# KiCad board AmigaPCI Mainboard.kicad_pcb (continued)
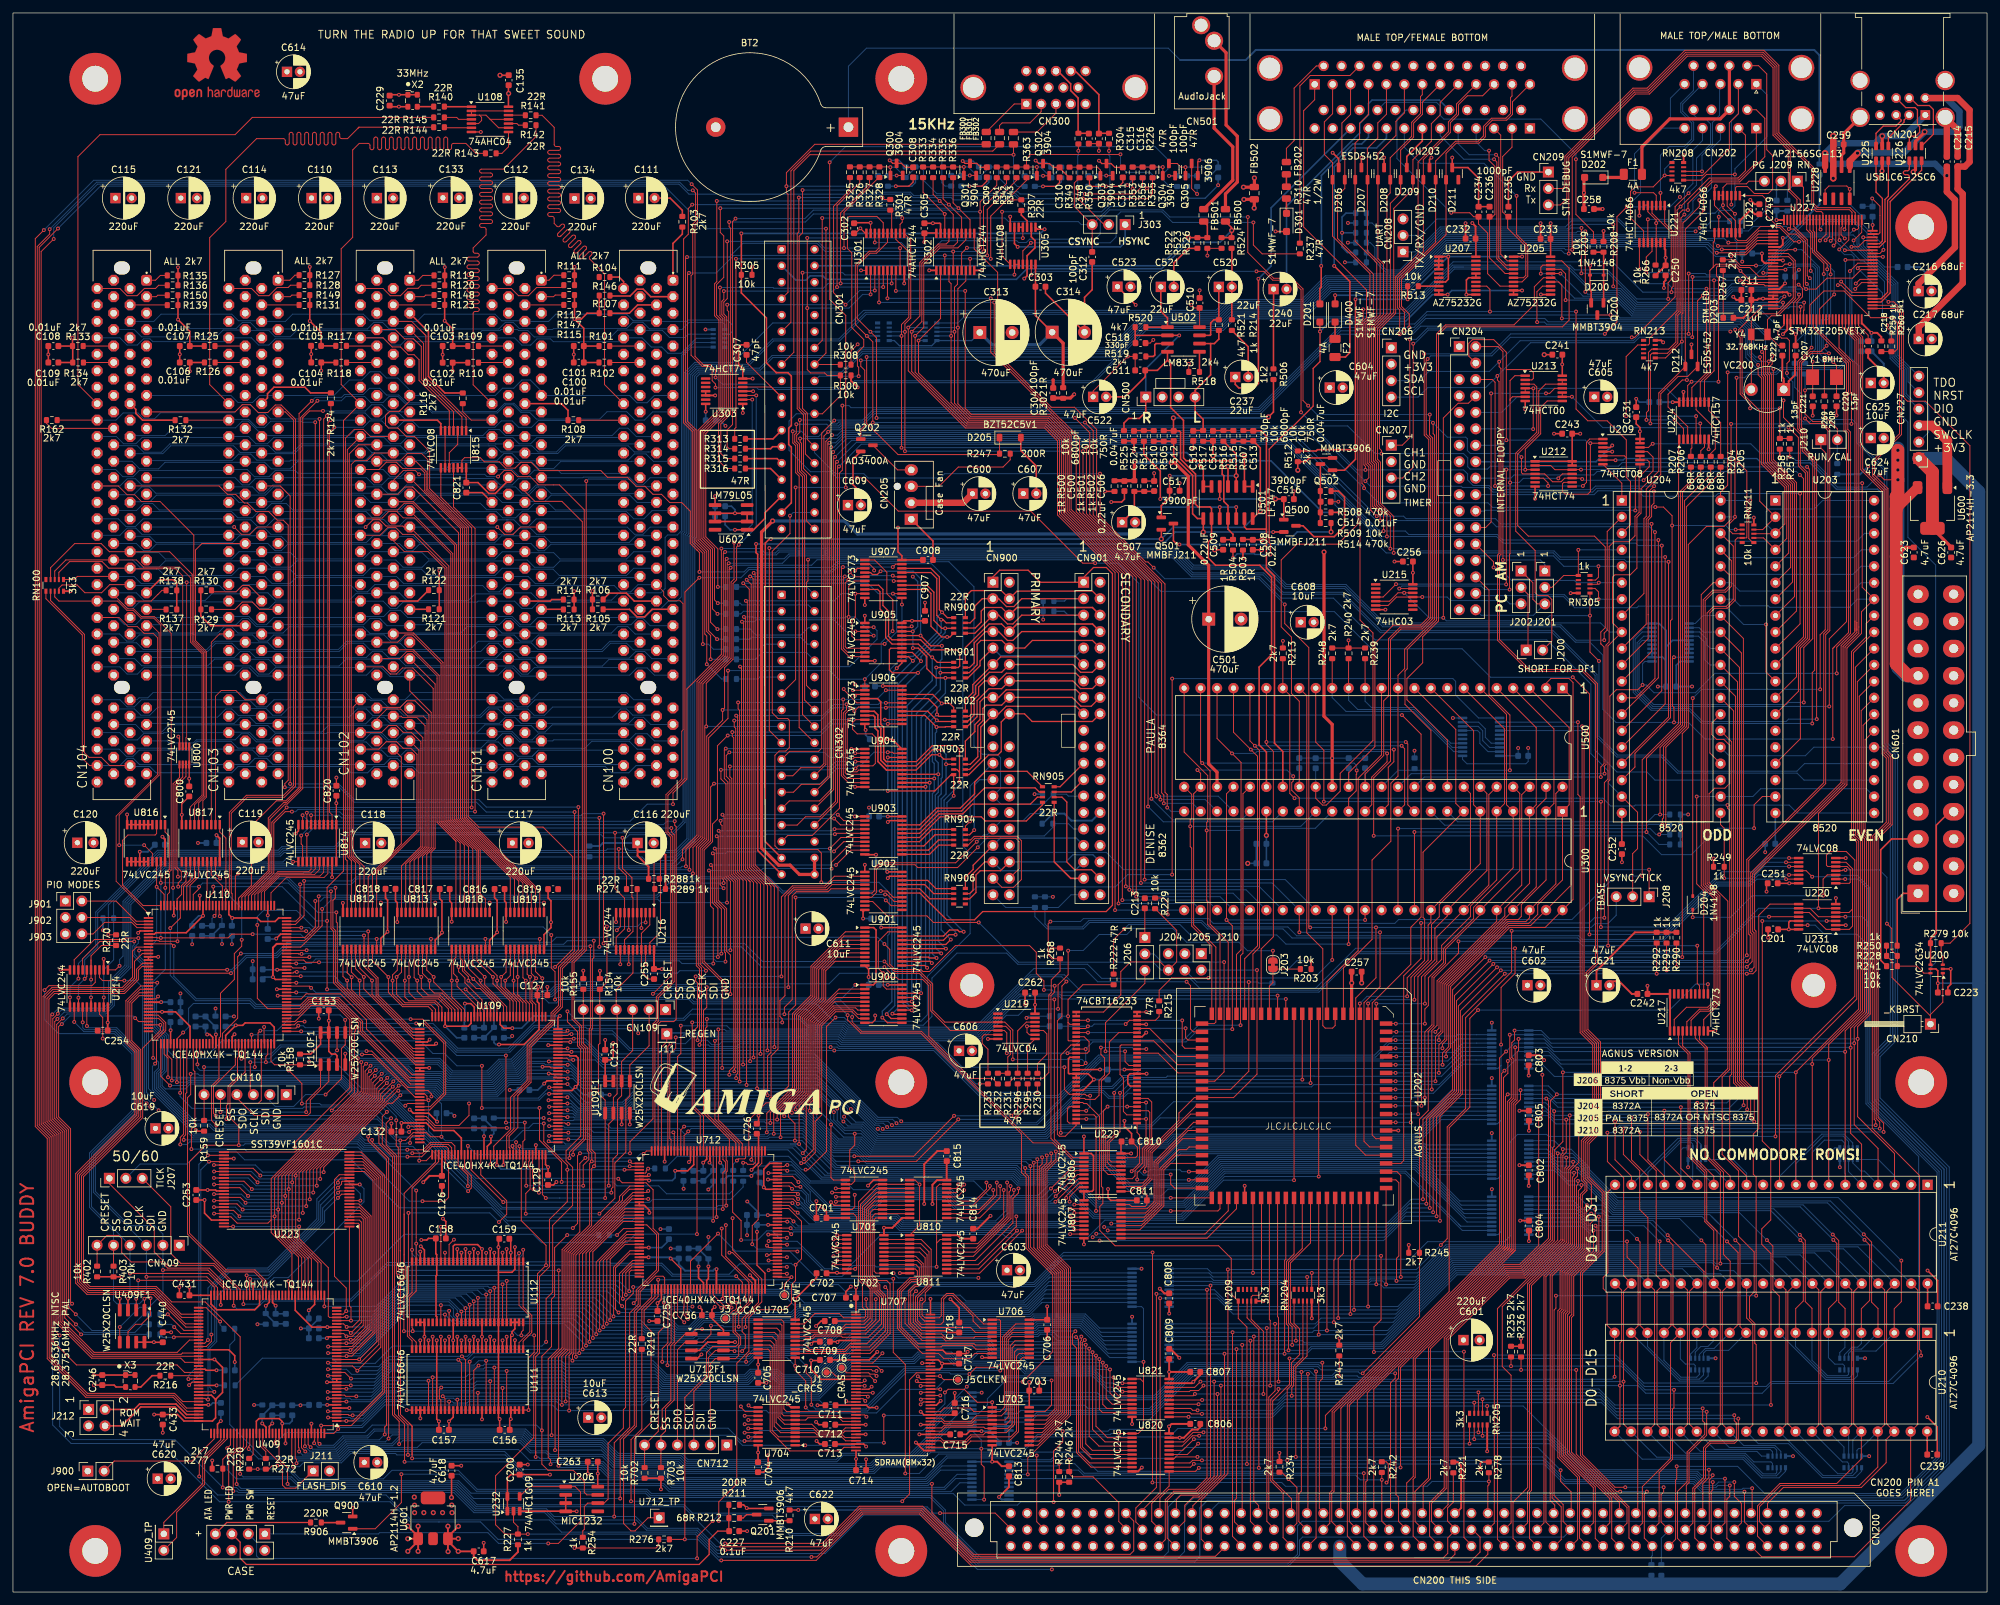
[diagram p0: board, top side]
## Routing (per net, layer and track width the routed paths; a pad name or vN(x,y) marks a point on that pad's centre or on a via; arc(x,y) is an arc through that point) (continued)
+5V: length 280.5
  Top w0.15: R229.1 177.58,107.17 178.3,106.46 v1(178.3,104.63) ; v1(212.07,16.9) 212.35,17.18 212.35,19.8 212.03,20.12 R242.1 ; R162.2 5.18,180.48 5.97,179.69 CN104.B19
  Top w0.25: R305.2 v1(114.11,204.66) ; R124.2 45.95,185.17 45.07,186.05 40.3,186.05 39.3,185.05 39.3,184.4 CN103.A16 ; v1(157.81,90.68) 157.8,90.67 U219.14 ; v1(157.81,90.68) 157.81,89.32 ; v1(157.81,90.68) 157.81,92.2 ; v1(112.69,182.08) 112.68,182.09 U303.1 ; 216.15,159.12 v1(216.15,157.4) 216.15,155.61 ; CN101.A16 84.68,183.5 85.7,182.48 R108.2 ; U207.20 225.88,208.98 ; v1(174.97,87.66) 174.97,87.66 U229.25 ; U205.20 237.41,208.97 ; R236.1 v1(232.85,39.14) ; R500.1 v1(168.6,169.96) ; v1(200.44,97.48) 200.43,97.47 R203.1 ; U212.13 C243.2 v1(241.99,178.87) ; D301.2 194.95,210.09 v1(194.94,210.1) ; v1(171.61,80.68) 173.55,80.68 ; U212.1 U212.14 ; U209.13 U209.14 251.21,179.22 v1(251.2,179.23) 251.21,179.24 251.21,179.81 250.62,180.4 C231.1 ; Q201.2 113.37,12.91 v1(113.3,12.97) 112.81,13.46 R212.1 ; C263.1 v1(90.3,18.3) 90.29,18.3 U206.8 ; v1(106.96,182.27) 106.96,183.48 ; v1(82.91,18.13) C200.1 76.86,18.13 76.34,17.61 U232.1 ; R116.2 66.68,185.16 64.15,187.69 64.15,194.6 CN102.A5 ; U305.2 157.23,209.27 157.8,208.7 157.8,207.56 156.58,206.35 U305.12 156.58,203.25 v1(156.15,202.82) ; R249.1 262.56,113.25 v1(262.58,113.27) ; R132.2 20.01,180.96 18.97,182 18.97,182.62 CN104.A16 ; U303.4 114.27,185.43 v1(114.28,185.42) ; v1(167.84,80.69) 164.16,80.67 ; U213.14 239.21,189.56 v1(239.2,189.57) 239.21,189.59 239.21,191.06 ; R235.1 232.84,37.95 ; 248.41,115.58 U204.20 ; R244.1 163.07,16.95 ; U209.4 v1(246.93,176.1) ; C238.1 U211.40 ; C239.1 295.56,24.78 ; U300.19 v2(193.53,116.84)
  Top w0.3: RN205.10 v1(227.62,21.74) ; RN204.5 200.53,42.28 v1(200.54,42.27) ; v1(256.27,183.74) 256.27,183.74 U224.16 ; v1(257.95,221.88) 257.95,221.87 RN208.10 ; R234.1 195.55,21.48 v1(195.54,21.49) ; RN211.10 268.79,165.91 v1(268.79,165.91) ; v1(161.55,15) 161.54,15.01 R244.1 ; v1(225.33,211.39) 225.83,210.89 C232.1 ; C249.1 268.94,212.76 v1(268.28,213.42) 266.62,211.76 U222.14 ; v1(240.51,154.25) 240.52,154.26 RN305.10 ; RN213.10 254.48,193.29 v1(254.79,192.98) ; v1(204.8,39.18) 204.78,39.15 204.78,38.12 ; v1(252.37,93.62) C242.1 255.85,92.36 ; 253.62,203.31 C250.1 v1(255.17,206.05) 255.13,206.09 255.13,207.28 255.02,207.39 U221.14 ; v1(237.42,211.37) 237.41,211.35 C233.1 ; R245.1 v1(215.51,53.6) ; RN209.5 193.06,44.93 v1(193.07,44.92) ; R300.2 129.4,187.05 v1(130.42,186.03) ; 255.85,92.36 U217.1 ; RN100.5 v1(8.9,154.55)
  Top w0.5: C257.1 206.69,94.06 v2(206.7,94.05) 206.69,94.04 U202.15 ; C258.1 v1(242.56,216.08) 242.56,218.33 ; v1(163.86,184.96) 163.28,184.38 C304.1
  Bottom w0.15: v1(216.4,129.92) 216.41,129.91 R225.1 ; R903.2 160.56,107.35 v1(160.57,107.35) ; v1(200.44,97.48) 198.22,97.48 196.43,95.69 R223.1
  Bottom w0.25: C306.1 v1(106.96,182.27) ; R263.1 v1(206.12,208.37) ; C224.1 256.81,143.11 257.4,143.7 U201.20 ; R912.2 v1(159.07,150.16) ; R900.1 v1(157.74,123.21) ; v2(193.53,116.84) C301.1 ; v1(167.84,80.69) C267.1 v1(171.61,80.68) ; 272.12,115.59 272.12,120.26
  Bottom w0.3: v1(259.25,139.83) 259.24,139.82 C224.1 ; RN201.5 v1(285.96,36.1) ; RN101.10 v1(106.93,194.96) ; v1(282.07,65.6) 282.06,65.61 RN203.5 ; v1(274.84,20.98) 274.83,20.99 RN206.5 ; RN202.5 v1(258.64,65.6) ; RN200.5 v1(262.88,36.1) ; v1(256.27,183.74) 254.21,183.74 ; RN207.5 286.59,20.99 v1(286.6,20.98)
+5VSB: length 110.2
  Top w0.15: 274.33,176.48 v1(274.33,175.29) ; v1(288.17,172.53) 288.96,171.75 v3(291.04,171.75)
  Top w0.5: C623.2 292.2,161.31 290.77,159.88
  Top w1: v3(281.05,218.3) 281.06,218.31 U228.7 v3(281.06,224.84)
  Top w1.5: 290.77,167.24 290.77,167.25 U600.3
  Top w2: CN601.9 292.61,141.49 290.77,143.32 290.77,169.17 291.04,169.44 v3(291.04,176.31)
  Bottom w0.15: v1(274.33,175.29) 274.72,175.29 275.27,174.74 277.56,174.74 281.67,170.62 286.26,170.62 v1(288.17,172.53)
  Bottom w2: 291.04,176.64 v3(291.04,171.75) 291.04,142.71 292.26,141.49 CN601.9
  vias: v3(291.04,174.79) v3(291.04,173.27)
+12V: length 607.6
  Top w0.25: U207.1 220.15,204.25 ; D400.2 v1(204.14,200.25) ; U207.7 221.19,202.31 221.62,202.73 v1(221.62,206.22) 220.17,206.22 ; R503.1 v1(189.91,159.62) ; v1(233.01,206.22) 231.7,206.22
  Top w1: C600.1 146.73,168.2 CN205.2
  In3.Cu w0.25: v1(189.91,159.62) 189.91,164.17 191.63,165.89 191.63,170.03 195.01,173.42 195.01,185.36 204.14,194.48 v1(204.14,200.25) 205.65,201.76 v1(205.65,205.34) 197.13,213.87 197.13,241.38
  In3.Cu w1: C134.1 86.71,213.71 88.48,211.94 109.05,211.94 110.19,213.08 121.19,213.08 126.13,208.14 126.13,199.55 ; 126.13,199.55 129.06,196.62 129.06,181.14 134.69,175.51 134.69,168.88 135.37,168.2 CN205.2 ; 126.13,199.55 CN301.10
  In3.Cu w2: C133.1 66.39,232.58 74.98,241.17 179.57,241.17 183.79,236.95 186.54,236.95 190.97,241.38 300.31,241.38 303.54,238.15 303.54,162.2 300.32,158.98 293.95,158.98 290.9,155.93 290.9,153.14 CN601.11 CN601.10
  Bottom w0.25: R261.1 205.67,205.33 v1(205.65,205.34) ; v1(233.01,206.22) v1(221.62,206.22) 215.65,200.25 v1(204.14,200.25)
-5V: length 13
  Top w0.25: CN301.31 116.09,166.64 116.09,165.78 114.35,164.04 U602.1 ; v1(111.48,164.03) 113.34,164.03
  Bottom w0.25: v1(111.48,164.03) 110.74,164.03 109.96,164.81 C615.2
-12V: length 682.4
  Top w0.15: R260.2 290.02,194.61 289.38,195.25 v1(289.38,195.6)
  Top w0.2: R504.2 188.37,159.7 v1(188.38,159.69) ; D201.1 201.79,194.67 v1(201.81,194.65) 201.81,190.01 200.75,188.95 200.75,183.12 197.41,179.78 197.26,179.78 193.96,176.48 193.96,162.08 194.16,161.88 v1(194.16,160.22)
  Top w0.25: v1(221.52,200.35) 220.16,200.35 ; U207.10 U207.9 ; v1(233,200.98) 231.71,200.98 ; U205.9 U205.10 ; U602.2 U602.3 v1(111.48,166.58) U602.6 U602.7 U602.2
  In2.Cu w0.15: v1(289.38,195.6) 290.92,197.14 303.56,197.14 303.57,197.15
  In2.Cu w0.25: 198.44,241.43 198.44,205.02 201.81,201.65 v1(201.81,194.65) ; 115.35,241.25 115.39,241.2 115.39,170.49 v1(111.48,166.58)
  In2.Cu w2: CN601.14 300.73,112.09 303.57,114.93 303.57,238.16 300.3,241.43 191.02,241.43 186.54,236.95 183.75,236.95 179.45,241.25 63.61,241.25 ; 63.61,241.25 54.41,241.25 C121.2 ; 63.61,241.25 54.21,241.25 47.66,234.7 47.61,234.75 C614.2
  Bottom w0.2: v1(194.16,160.22) 191.78,160.22 191.68,160.32 189.01,160.32 v1(188.38,159.69)
  Bottom w0.25: v1(201.81,194.65) 203.37,196.21 215.01,196.21 219.15,200.35 v1(221.52,200.35) 222.14,200.97 233,200.97 v1(233,200.98) ; C616.2 110.94,167.67 111.48,167.13 v1(111.48,166.58)
/Agnus Multiadapter/GND_PAL_NTSC: length 36.5
  Top w0.15: v1(190.81,94.2) 190.81,80.41 188.02,77.62 U202.41
  Bottom w0.15: AGNUS1.4 182.78,94.2 v1(190.81,94.2) 192.2,94.2 192.37,94.03 R223.2
/Clocks, ROM, USB/VBUS1: length 63.8
  Top w0.5: v3(288.62,224.83) 288.61,224.82 U225.5
  Top w1: v3(279.78,222.15) 279.79,222.14 U228.8 ; C214.1 v3(298.59,218.72) 298.59,216.23 299.84,214.98 299.84,207.66 294.22,202.04 C216.1
  Bottom w1: CN201.1 292.02,224.83 v3(288.62,224.83) 287.51,223.72 281.35,223.72 v3(279.78,222.15) 281.39,220.54 296.77,220.54 v3(298.59,218.72)
/Clocks, ROM, USB/VBUS2: length 78.8
  Top w0.5: U226.5 293.75,224 295.17,225.42 v3(295.17,225.48)
  Top w1: C217.1 294.25,195.33 301.04,202.12 301.04,215.9 300.25,216.69 C215.1 301.38,220.12 302.1,220.84 302.1,228.85 300.25,230.7 CN201.5 ; v3(284.8,222.19) 283.6,220.99 U228.5
  Bottom w1: v3(284.8,222.19) 284.9,222.29 291.98,222.29 v3(295.17,225.48) 299.77,225.48 300.54,226.25 300.54,228.64 298.48,230.7 CN201.5
/HID and User Ports/+5VMOUSE: length 26.9
  Top w0.5: F1.2 251.51,223.19 255.81,227.48 263.61,227.48 CN202.16 CN202.7
/HID and User Ports/VBAT_STM: length 15.1
  Top w0.3: U227.6 272.9,207.7 273.26,208.06 273.26,209.1 v1(273.27,209.11)
  Bottom w0.3: R201.2 278.94,214.3 273.75,209.11 v1(273.27,209.11)
GND: length 1054.7
  Top w0.15: U707.84 140.74,41.85 140.01,42.58 140.01,44.95 v1(140.29,45.22) ; v1(174.96,89.56) 174.96,89.56 U229.28 ; U707.12 132.35,37.35 135.05,40.05 135.05,46.71 v1(134.68,47.08) ; U807.19 172.42,59.83 172.72,59.53 174.81,59.53 175.08,59.8 C811.2 ; U707.6 131.56,40.35 133.23,42.01 v1(133.23,45.22) ; v1(130.94,204.09) 130.94,204.09 U301.1 ; v1(167.67,222.55) C316.2 C315.2 ; R268.2 v1(160.44,99.44) ; U222.7 262.72,214.1 265.32,211.5 U222.12 ; 98.33,104.92 98.33,103.02 97.03,101.72 97.03,95.8 98.17,94.66 C255.1 ; v1(131.78,27.07) 131.5,27.35 U707.32 ; U806.19 173.31,67.07 173.61,67.37 173.61,68.69 C810.2 ; U209.7 248.41,171.23 U204.1 ; v1(132.42,211.44) 132.42,211.44 U301.19 ; 38.76,84.75 38.76,87.25 v1(38.77,87.25) ; v1(137.73,45.22) 137.73,41.5 140.38,38.85 U707.78 ; U227.74 288.06,209.7 288.26,209.9 288.26,214 v1(287.07,215.19)
  Top w0.2: v1(147.66,217.09) 149.6,217.09 150.37,217.86 C309.1 ; C311.1 171.36,217.65 170.77,217.06 v1(168.79,217.06) 166.55,217.06 166.21,217.4 R350.2 ; v1(25.53,132.09) 25.71,131.91 U800.4 ; C310.1 161.6,217.65 161.01,217.06 v1(159.04,217.06) ; v1(26.07,120.02) 26.07,121.72 C800.1 ; v1(133.13,89.03) 133.13,88.36 132.68,87.91 U900.10 ; U108.7 v1(72.24,225.46) ; C308.1 138.99,217.73 138.34,217.09 v1(136.32,217.09) ; C820.1 v1(49.94,125.77)
  Top w0.25: v1(16.49,45.3) U409F1.4 ; C821.1 72.46,169.77 CN101.B28 ; C129.2 83.45,62.86 v1(83.91,63.32) ; v1(124,41.08) 124.77,41.85 C708.2 ; C132.2 58.43,72.35 v1(58.43,72.36) ; U110.86 40.76,93.09 v1(40.75,93.08) ; v1(86.7,204.62) R111.2 R112.1 ; X2.2 59.6,229.36 v1(59.59,229.37) 59.58,229.36 58.33,229.36 ; 62.56,6.3 v2(62.55,6.29) ; 67.97,37.5 67.97,38.87 ; v1(295.61,49.65) 297.17,48.09 C238.2 ; U206.2 U206.3 85.34,12.46 87.03,12.46 v1(87.04,12.46) ; v1(211.7,221.5) 211.7,221.5 D208.3 ; U111.25 v1(63.53,39.43) U112.32 U112.30 ; U232.3 85.32,12.49 ; U112.54 77.5,40.64 77.05,40.19 v1(77.05,39.68) 76.87,39.5 U111.4 ; U112.54 U112.53 ; U112.54 U112.55 ; U109F1.4 95.25,72.2 v1(95.24,72.2) ; U109.14 U109.13 64.26,80.94 v1(64.27,80.94) ; U816.4 U816.10 17.63,120.06 v1(17.62,120.07) ; v1(19.33,101.79) 19.63,102.09 U110.5 ; U814.10 44.07,117.53 v1(43.66,117.12) ; v1(243.5,204.83) D200.2 243.5,201.06 243.68,200.88 Q200.2 ; D205.2 155.62,176.26 158,173.88 C607.2 ; R128.1 v1(45.83,204.63) ; 62.9,28.1 U111.32 ; 62.9,28.1 62.9,26.82 v1(62.9,26.81) ; 62.9,28.1 U111.30 ; C907.2 v1(140.82,152.78) ; U111.39 67.97,27.01 v1(67.32,26.35) C157.2 ; U602.5 108.41,169.23 ; v1(114.21,187.38) U303.7 112.68,188.91 112.03,189.56 112.03,192.18 112.44,192.59 C307.2 ; C108.2 v1(5.46,191.11) C109.2 ; v1(132.02,62.76) 132.88,63.62 U701.10 ; C715.2 147.22,24.35 147.71,24.84 v1(149.54,24.84) ; U109.5 63.98,84.94 v1(64.34,85.3) ; C433.2 v1(23.13,24.6) ; U707.58 142.56,28.85 v1(143.24,29.52) ; CN205.1 142.06,162.3 142.06,159.38 ; v1(124,26.27) 124.43,25.84 C712.2 ; v1(219.01,221.5) 218.71,221.2 D210.3 ; C153.1 47.22,88.54 v1(47.22,88.54) ; C303.2 159.42,200.57 C314.2 165.45,199.92 166.63,201.1 C312.2 ; v1(135.08,110.25) 135.37,110.54 U902.19 ; v1(171.61,72.76) 171.61,71.9 172.71,70.8 C810.2 ; v1(51.31,83.13) 51.31,83.12 U110F1.4 ; C714.2 v1(131.72,20.5) ; v1(72.68,7.6) 72.69,7.59 C617.1 ; U409.103 v1(30.17,28.91) ; R136.1 R135.2 v1(25.48,204.57) ; v1(62.97,53.38) 63.53,52.82 U112.25 ; v1(109.54,45.27) 109.62,45.35 U712.59 ; U229.27 U229.28 ; D206.3 204.69,221.32 v1(203.76,222.25) ; v1(132.42,211.44) 129.94,211.44 ; C127.2 v1(82.51,93.44) ; 233.49,183.92 233.49,182.64 v1(233.5,182.62) ; v1(106.3,36.69) 105.66,36.05 U712F1.4 ; 60.97,8.24 v2(60.96,8.23) ; R241.1 288.38,97.56 288.38,114.61 290.06,116.29 CN601.3 ; v1(104.38,66.4) 104.62,66.64 U712.132 ; C818.2 59.07,106.73 59.34,106.46 U813.10 v1(59.34,103.46) ; U229.48 165.26,77.5 v1(166.9,79.14) 166,80.04 U229.44 ; U202.58 v1(190.18,62.73) ; U229.44 163.07,80.04 162.96,80.14 162.96,82.35 163.19,82.58 U229.40 ; U229.44 U229.45 ; v1(34.25,35.52) 34.25,36.5 33.33,37.41 U409.86 ; R120.1 R119.2 66.66,204.58 v1(66.67,204.59) ; C106.2 v1(25.76,191.13) C107.2 ; C707.2 128.61,46.41 v1(129.37,47.17) ; v1(69.21,19.51) 69.21,19.51 C618.1 ; U205.11 235.92,200.35 v1(235.91,200.36) ; U112.39 67.97,38.88 v1(67.97,38.87) ; C158.2 66.84,57.21 v1(66.39,57.66) ; 76.5,234.22 v2(75.2,234.22) ; v1(82.65,84.45) 82.66,84.44 U109.103 ; 156.26,92.56 156.26,90.69 v1(156.27,90.69) ; U112.46 v1(72.42,39.43) U111.11 ; U212.7 235.01,168.83 v1(235.01,168.83) ; U409.140 v1(46.08,26) ; U409.59 37.08,47.57 v1(37.09,47.58) ; CN203.32 217.6,224.07 215.21,221.68 D209.3 ; v1(119.6,29) 120.09,28.51 U704.10 ; v1(49.27,110.38) 49.28,110.39 U814.19 ; 230.9,213.92 230.9,217.87 232.3,219.27 CN209.1 ; C234.2 226.29,218.32 224.64,219.96 D211.3 v1(222.22,221.5) ; C431.2 25.7,47.07 v1(25.69,47.08) ; v1(34.21,86.13) 33.84,85.76 U110.59 ; U707.86 v1(141.66,45.27) ; C716.2 v1(145.41,30.74) ; C713.2 124.55,22.85 v1(124.08,23.32) ; U110.140 24.84,104.48 v1(24.83,104.47) ; U202.82 v1(213.9,71.27) ; U906.10 131.53,133.24 v1(131.65,133.12) ; C253.2 v1(29.58,60.54) 29.58,58.51 30.65,57.44 U223.46 ; U200.2 v1(299.19,96.22) 299.19,93.84 298.75,93.4 C223.2 ; C104.2 v1(46.05,191.16) 46.05,192.41 ; D212.3 v1(259.16,192.65) ; v1(133.07,143.8) 133.06,143.79 U905.10 ; v1(208.2,221.5) 208.2,221.5 D207.3 ; U807.10 165.36,53.69 v1(165.36,53.69) ; C717.2 143.46,35.27 v1(143.45,35.28) ; 103.35,212.42 103.35,213.37 101.47,215.25 C111.2 ; v1(135.08,118.91) 135.28,119.11 U903.19 ; C123.1 v1(91.44,85.25) ; v1(248.43,112.7) 248.42,112.71 C252.1 ; C103.2 v1(66.34,191.08) C102.2 ; U229.22 174.34,85.75 v1(174.98,86.39) ; U712.103 v1(116.57,63.7) ; 62.56,10.15 v2(62.55,10.16) ; U712.13 U712.14 97.51,59.7 98.26,58.95 v1(98.26,58.57) ; C227.2 v1(113.35,9.41) ; U111.55 U111.54 U111.53 76.87,26.72 v1(76.86,26.72) 76.7,26.56 C156.2 ; 272.81,176.48 v1(272.81,175.25) ; U409.132 v1(42.08,22.96) ; 124.51,35.75 v1(123.23,35.75) 123.23,34.36 124.74,32.85 U707.21 ; U215.7 v1(211.91,151.7) ; v1(67.74,103.51) 67.75,103.51 U818.10 67.75,106.39 67.44,106.7 C817.2 ; C243.1 v1(237.94,178.87) ; U707.44 140.65,21.85 v1(139.42,23.08) 139.65,22.85 U707.46 ; U110.14 U110.13 v1(22.42,98.09) ; U707.38 v1(131.65,24.35) ; v1(143.45,35.28) 143.45,34.75 143.05,34.35 U707.69 ; v1(143.45,35.28) 142.88,35.85 U707.72 ; C701.2 v1(124.05,60.36) ; v1(131.26,104) 131.26,105.07 U902.10 ; U111.46 v1(72.42,26.67) ; C239.2 297.11,25.49 v1(295.58,27.02) ; v1(98.2,64.4) 98,64.2 U712.5 ; C609.2 130.92,169.79 129.7,171 129.7,174.93 Q202.2 ; v1(115.12,73.57) 115.12,73.56 115.12,72.3 ; U109.69 v1(80.73,69.01) ; U409.5 v1(51.94,28.41) ; v1(40.65,100.91) 41.33,101.59 U110.103 ; U409.69 v1(32.08,44.34) ; v1(144.75,45.22) 146.1,43.87 C718.2 ; C811.2 175.08,61.21 v1(174.55,61.75) ; U221.7 v1(251.12,212.54) ; U220.7 v1(282.98,113.34) ; v1(116.61,21.11) 116.61,19.21 115.91,18.51 C704.2 ; U707.52 v1(140.16,25.85) ; U109.86 v1(82.69,75.94) ; v1(169.58,168.32) 171.17,168.32 171.61,168.76 C500.2 ; v1(175.03,80.04) 175.03,80.04 U229.13 172.48,80.04 172.13,79.69 172.14,79.68 172.14,78.5 172.51,78.13 U229.10 ; C709.2 123.6,38.66 v1(123.26,38.32) ; C440.1 24.41,40.12 v1(24.42,40.11) ; v1(130.02,124.34) 130.03,124.33 U904.10 ; U816.16 U816.11 ; v1(132.12,94.97) 132.12,96.16 U901.10 ; v1(12.49,31.96) C246.2 15.62,31.96 15.91,31.66 X3.2 ; C101.2 v1(86.59,191.11) C100.2 ; 281.46,106.23 281.46,107.16 v1(281.46,107.16) ; U109.140 66.73,87.39 v1(66.72,87.38) 70.29,87.38 70.73,87.82 U109.132 ; U409.14 U409.13 48.5,32.41 v1(48.49,32.4) ; 270.75,109.45 v1(270.75,108.16) ; 134.47,56.24 v1(134.48,56.25) ; C200.2 v1(79.49,19.68) ; v1(153.97,212.38) 153.98,212.37 U305.7 ; U706.10 149.7,36.19 v1(149.63,36.27) ; U302.19 143.22,211.26 143.11,211.37 v1(142.04,211.37) C305.2 ; C241.1 v2(236.43,191.07) ; 151.19,20.47 151.19,20.47 151.19,20.76 ; 76.85,51.04 76.85,52.4 ; U712.140 100.62,66.47 v1(100.62,66.46) ; v1(88.76,18.29) 88.75,18.3 C263.2 ; U907.10 v1(131.53,152.42) ; 26.07,118.49 v1(26.07,120.02) ; U303.11 U303.12 ; C231.2 250.62,184.24 v1(250.63,184.25) ; U705.10 120.77,45.24 v1(120.78,45.25) 124.07,48.55 C702.2 ; U207.16 U207.15 224.76,202.95 224.41,202.6 v1(224.41,200.35) 224.42,200.35 U207.11 ; v1(75.73,65.94) U109.59 ; C711.2 v1(124.22,28.84) ; U112.18 67.97,53.4 68.22,53.65 71.74,53.65 v1(72.42,52.97) 72.42,51.04 ; v1(76.86,52.41) 76.86,54.34 ; U807.1 U806.10 166.62,61.88 166.83,62.09 166.83,67.38 166.49,67.72 165.36,67.72 165.36,70.34 v1(165.36,70.34) ; U712.86 v1(116.62,55.2) ; 227.99,213.92 226.3,213.92 ; v1(133.25,113.86) 131.58,113.86 ; U816.14 v1(19.58,114.31) ; 281.56,183.02 v1(281.56,181.7) ; 151.19,20.76 v1(151.19,20.13) ; 151.19,20.76 U703.10 ; v1(116.34,32.32) 116.31,32.31 C705.2 ; C736.1 106.38,43.62 v1(106,44) ; C201.2 v1(270.99,101.04) ; C256.1 v1(213.31,159.13) ; v1(76.14,103.48) U819.10 76.14,106.46 75.91,106.69 C816.2 ; U219.7 v1(150.54,85.41) ; C703.2 v1(158.46,32.38) ; C706.2 v1(159.69,39.24) ; U223.27 v1(34.09,66.94) ; U110.132 v1(28.84,107.54) ; U815.7 66.07,180.42 65.53,180.96 CN102.A18 ; C725.2 v1(98.23,41.85) ; 277.88,183.02 v1(277.88,181.66) ; C126.2 v1(66.23,61.47)
  Top w0.3: v1(232.6,65.92) 232.62,65.9 C802.2 ; U303.12 v1(108.42,184.78) ; U222.7 262.72,216.87 v1(262.93,217.08) ; C805.2 232.61,74.33 v1(232.6,74.32) ; U301.10 137.62,202.09 v1(137.61,202.08) ; C233.2 v1(235.86,211.37) ; v1(141.47,204.09) 141.47,204.09 U302.1 ; v1(268.25,214.97) 268.91,214.31 C249.2 ; U811.10 136.94,49.25 v1(136.94,49.25) ; C806.2 183.32,25.48 182.93,25.08 182.05,25.08 180.79,23.83 v1(180.15,23.83) 180.14,23.83 U820.19 ; 172.79,27.06 v1(172.79,25.95) ; v1(273.28,194.24) 273.95,194.91 U227.27 ; U224.15 257.93,185.32 v1(257.92,185.33) ; 14.01,96.06 14.01,97.76 ; 178.51,32.25 182.04,32.25 v1(182.25,32.47) 183.32,33.54 C807.2 ; C808.2 177.79,46.12 v1(177.07,46.84) ; U810.10 137.3,57.77 135.77,56.25 v1(134.48,56.25) 134.48,55.1 ; v1(140.7,59.94) 140.7,66.07 142.72,68.09 C815.2 ; v1(50.94,106.41) 50.96,106.4 50.96,104.95 ; v1(151.19,20.13) 151.97,20.13 152.67,19.44 153.78,19.44 ; 8.81,96.1 7.36,96.1 ; v1(265.62,200.01) 266.1,199.53 C212.2 266.87,201.05 ; v1(273.28,205.62) 273.2,205.7 U227.10 ; v1(236.41,82.14) 235.66,82.89 C803.2 ; R208.2 245.57,210.15 v1(245.59,210.17) ; 273.4,187 VC200.1 ; 273.4,187 273.4,187.37 273.19,187.58 C222.2 ; 273.4,187 273.4,186.2 ; U217.10 v1(262.84,86.64) ; C250.2 255.17,202.56 254.91,202.3 v1(254.91,201.38) ; U302.10 149.54,204.09 v1(149.54,204.09) ; 178.72,37.55 v1(180.09,36.18) ; 246.5,94.31 248,94.31 249.95,92.36 C242.2 ; v1(150.93,58.09) 148.95,56.11 C814.2 ; C218.2 286.44,190.6 288.85,188.19 C625.2 ; 274.17,186.46 274.17,186.96 275.14,187.94 275.14,190.82 ; v1(93.12,103.46) 93.13,103.47 93.13,104.92 ; 62.56,8.58 v2(60.97,10.17) ; v1(113.79,48.92) 114.62,48.09 U712.69 ; v1(274.31,200.33) 273.93,200.71 273.24,200.71 273.23,200.7 U227.20 ; U601.1 62.56,6.3 ; U601.1 60.97,8.24 ; U601.1 62.56,10.15 ; v1(232.71,57.35) 232.72,57.36 C804.2 ; U224.8 261.82,176.48 v1(261.81,176.47) ; U820.10 173.71,18.63 v1(174.3,19.22) ; C232.2 v1(224.28,211.37) ; 62.56,7.88 v2(60.97,6.29)
  Top w0.5: v2(189.99,216.94) 191.68,216.94 v2(191.68,218.36) ; v2(293.4,219.29) 293.75,219.64 U226.2 ; U228.6 282.33,221.89 282.67,222.23 C259.2 282.67,225.2 CN201.9 ; C257.2 v2(208.24,94.05) ; v2(288.58,219.44) 288.61,219.47 U225.2 ; C304.2 160.61,187.16 160.6,187.17 ; C258.2 v1(245.45,213.56)
  Top w1: C214.2 298.59,227.47 ; CN201.9 300.25,225.81 C215.2
  Top w1.5: CN227.3 296.33,180.13 298.67,177.79 U600.1
  Bottom w0.15: U208.10 222.33,134.97 v1(222.33,134.97) ; R265.2 287.07,213.99 v1(287.07,215.19) ; 147.65,217.1 v1(147.66,217.09) ; U208.1 223.81,128.58 224.5,127.9 233.6,127.9 233.95,128.25 C225.1 v1(233.95,130.34) ; C904.2 132.19,121.12
  Bottom w0.2: R361.2 181.29,215.54 181.6,215.23 184.07,215.23 v1(186.08,217.24) C317.1 ; C208.2 272.29,217.18 J209.2 ; R351.2 168.79,217.06 v1(168.79,217.06) ; R330.2 139.35,217.64 138.79,217.09 v1(136.32,217.09) R331.2 ; R345.2 161.85,217.74 161.17,217.06 v1(159.04,217.06) R346.2 ; v1(175.09,216.75) 174.42,217.42 R358.2 ; R338.2 150.68,217.69 150.08,217.09 v1(147.66,217.09) 146.43,217.09
  Bottom w0.25: v1(113.35,55.1) 113.32,55.12 C724.2 ; v1(253.97,139.82) C224.2 255.26,143.8 ; C148.2 v1(27.67,100.03) ; 270.55,115.53 270.55,114.25 ; v1(250.63,184.25) 251.13,183.75 C261.1 ; 255.26,143.8 255.26,145.97 ; 255.26,143.8 254.7,144.35 U201.2 253.07,146.3 ; v1(30.17,28.91) 30.55,28.91 30.85,29.21 C420.2 ; C124.2 67.74,73.94 v1(68.16,73.52) ; U808.19 151.52,25.6 150.76,24.84 ; C720.2 114.54,64.79 v1(114.01,64.26) 110.44,64.26 109.68,63.5 ; C727.2 v1(99.98,56.05) ; 34.25,34.25 34.25,35.52 ; C146.2 34.11,88.88 v1(34.12,88.89) ; C128.2 92.11,76.8 v1(92.12,76.79) ; C902.2 133.24,113.85 v1(133.25,113.86) ; v1(77.08,85.86) 76.8,85.58 C131.2 ; v1(131.65,133.12) 131.65,132.34 C905.2 ; C901.2 v1(131.26,104) ; v1(40.65,100.91) 40.58,100.84 C141.2 ; 45.69,40.72 44.47,40.72 ; R256.2 205.82,212.93 205.21,212.32 v1(205.21,209.89) ; C306.2 109.17,180.92 v1(110.01,180.08) ; C615.1 108.41,169.23 v1(108.41,169.23) ; 255.26,145.97 255.26,148.47 254.18,149.55 U201.10 ; 255.26,145.97 256.25,146.95 U201.15 U201.18 ; C435.2 v1(44.39,28.84) 44.44,28.89 C432.2 ; R262.2 206.04,206.85 205.21,207.67 v1(205.21,209.89) ; v1(132.12,94.97) 132.12,94.97 C900.2 ; R264.2 v1(205.21,209.89) ; U809.10 151.18,20.12 v1(151.19,20.13) ; C722.2 103.53,62.3 v1(103.55,62.27) ; v1(149.57,30.79) 149.56,30.8 U808.10 ; v1(130.01,140.14) 130.3,139.85 C906.2 ; R312.1 R303.1 258.65,120.07 v1(258.65,120.07) ; 150.76,24.84 v1(149.54,24.84) ; 150.76,24.84 152.24,23.36 ; C147.2 37.01,97.42 v1(37.02,97.43) ; 45.69,39.2 45.69,40.71 ; 45.71,40.72 C421.2 ; C723.2 v1(101.55,53.05) ; 159,118.65 R901.2 ; v2(190.65,112.52) 190.66,112.53 C301.2 C300.2 ; C143.2 25.87,92.43 v1(25.86,92.44) ; v1(166.9,79.14) 166.9,79.13 C267.2 ; v1(66.72,87.38) 68.51,85.59 C130.2 ; C144.2 v1(33.8,100.04) ; C125.2 v1(76.7,77.53)
  Bottom w0.3: C219.2 294.44,204.61 296.22,202.83 C216.2 ; C823.1 v1(28.57,115.67) ; v1(174.25,49.93) 174.25,49.93 U805.10 ; U804.10 172.79,42.5 v1(172.8,42.51) ; C822.1 20.81,114.31 v1(19.58,114.31) ; C228.2 v1(267,205.44) ; C210.2 286.93,191.58 ; R901.2 162.34,120.2 163.42,119.12 166.6,119.12 CN901.30 ; 228.33,78.23 v1(228.33,79.36) ; 228.34,61.08 v1(228.34,62.21) ; v1(275.75,204.19) 275.18,203.61 C226.2 ; C625.2 288.85,189.69 C209.2 ; 228.34,86.79 v1(228.34,87.92) ; 228.33,69.75 v1(228.33,70.87)
  vias: v1(7.34,96.12) v1(14,97.77) v1(44.45,40.71) v1(132.18,121.13) v1(270.55,114.24)
+AUD: length 64.9
  Top w0.5: v2(178.83,174.41) 179.35,174.41 181.47,172.29 181.47,161.7 184.62,158.55 C501.1 184.62,127.88 185.91,126.58 U500.27 ; v1(173.14,174.42) R501.1 R500.2
  Bottom w0.5: v2(178.83,174.41) 173.15,174.41 v1(173.14,174.42)
+AV: length 21.3
  Top w0.15: v1(181.93,198.75) 182.39,198.29 C510.1 183.22,195.34
  Top w0.25: Q502.2 200.18,175.13 199.6,174.55 R512.1 ; R503.2 191.39,162.54 ; U501.4 v2(187.6,173.8) ; C508.1 v2(192.81,162.49) ; C523.1 v1(173.35,198.76) ; v2(198.38,173.23) 198.38,174.55
+VID: length 157.8
  Top w0.2: v1(135.37,221.08) 135.82,220.62 Q300.3 137.17,220.62 137.78,220.01 C308.2 ; C310.2 160.64,219.99 160.05,220.58 Q302.3 158.37,220.58 v1(157.9,221.05) ; 161.6,219.91 R349.1 ; C311.2 170.14,219.99 169.55,220.58 Q303.3 168.12,220.58 v1(167.68,221.02) ; 130.08,209.82 v1(130.84,210.58) 131.61,209.81 U301.20 ; C309.2 149.42,220.01 148.82,220.61 Q301.3 147,220.61 v1(146.64,220.97) ; Q305.2 182.94,220.84 v1(183.19,221.09)
  Top w0.25: 140.73,209.86 142.52,209.86 ; C303.1 157.87,197.12 C314.1 ; v1(140.72,208.46) 140.73,208.47 C305.1 ; U305.14 157.88,201.58
  Top w0.5: R302.1 162.15,192.84 C314.1
  In2.Cu w0.25: v1(140.72,208.46) 138.82,208.46 138.76,208.52 ; v1(130.84,210.58) 138.65,210.58
  In2.Cu w0.5: 138.84,217.88 138.76,217.8 138.76,207.95 149.28,197.43 C313.1 ; 176.06,217.63 176.03,217.6 176.03,210.57 160.45,194.99
  Bottom w0.15: 172.88,218.07 v1(172.07,217.26)
  Bottom w0.2: C317.2 186.08,220.85 185.84,221.09 v1(183.19,221.09) ; v1(157.9,221.05) 158.19,220.76 159.59,220.76 R344.1 ; v1(146.64,220.97) 148.24,220.97 R337.1 ; 186.08,219.93 R359.1 ; C313.1 148.03,193.25 RN301.5 141.86,192.46 136.87,192.46 136.08,193.25 RN302.10 ; R329.1 136.82,221.08 v1(135.37,221.08)
  Bottom w0.5: C313.1 151.17,192.61 158.52,192.61 C314.1
-AV: length 72.9
  Top w0.25: U502.4 178.25,190.2 ; 178.25,190.2 178.75,189.71 178.75,182.91 180.73,180.93 180.73,175.12 181.16,174.69 186.7,174.69 ; 178.25,190.2 176.7,188.65 C511.2 174.82,187.66 171.72,184.56 C522.2 ; 186.7,174.69 v1(187.94,174.69) ; 186.7,174.69 186.7,172.62 186.95,172.37 186.95,168.41 187.6,167.77 U501.11 187.6,164.13 188.37,163.36 R504.1 ; v1(204.79,166.72) R509.2 ; C509.2 188.32,162.49
  Bottom w0.25: v1(204.79,166.72) 202.2,166.72 194.23,174.69 v1(187.94,174.69)
/Agnus Multiadapter/7MHz: length 18.1
  Top w0.15: U229.32 163.2,87.66 162.9,87.95 ; 162.9,87.95 v1(162.9,88.92) 162.9,91.49 165.19,93.78 R222.2 ; 162.9,87.95 162.9,85.22 163.01,85.12 U229.36
  Bottom w0.15: R238.2 v1(162.9,88.92)
/Agnus Multiadapter/7MHz_CDAC: length 11.8
  Top w0.15: U229.24 175.51,87.02 179.83,82.7 U202.37
/Agnus Multiadapter/_ARAMEN: length 11.4
  Top w0.15: U202.25 193.99,93.57 194.54,94.12 J203.2 ; R203.2 194.54,96.2